# Altium PCB DB31.PcbDoc (part 7 of 8) (continued)
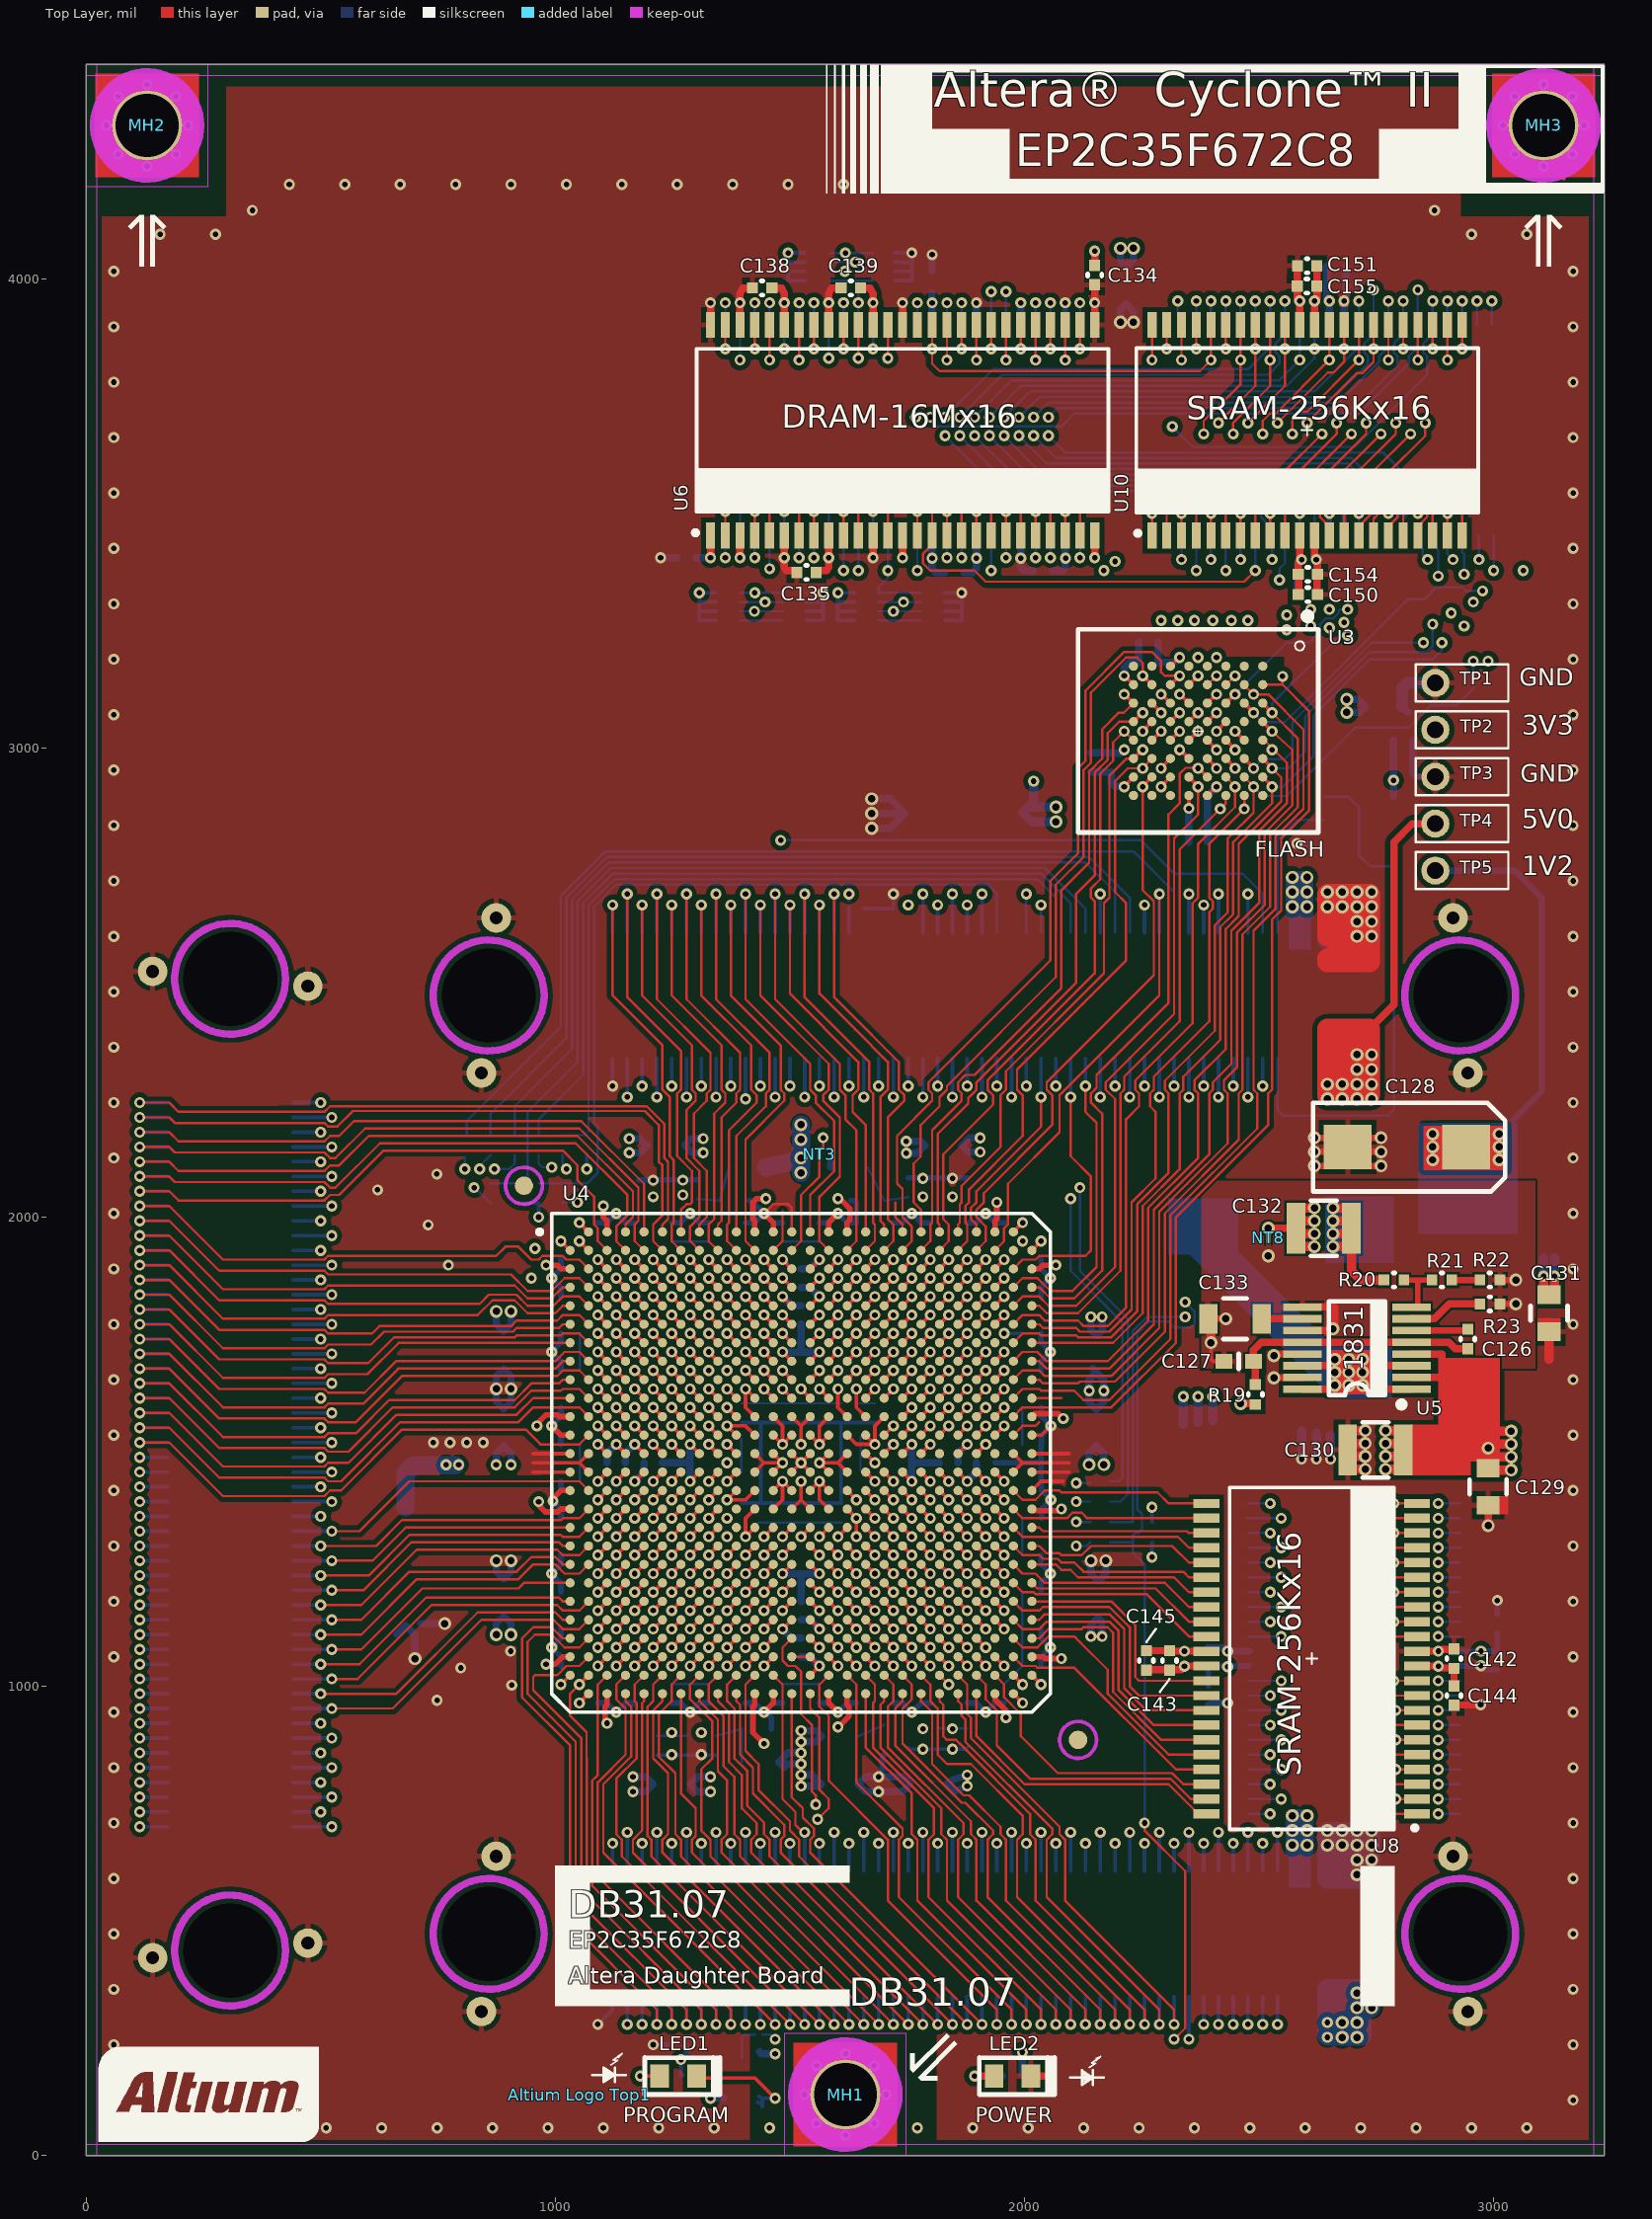
[diagram p0: Top Layer view]
## Nets (pads, with @x,y where several pads share a name; then routed paths per layer and width w, separated by ;. In a path a pad name is that pad's centre, name@x,y a point inside that pad or via, vN(x,y) a via of type N, cw(c..) or ccw(c..) an arc to the next point about the centre after c; other vN are vias at no path point) (continued)
SRAM2_A11: U4.T25 U8.24 | length 429.5
  Top Layer w5: U4.T25@1976.38,1377.95 1996.07,1358.27 2078.74,1358.27 2090.55,1358.27 2102.36,1370.08 2122.05,1370.08 2133.87,1358.26 U8.24@2387.89,1358.26
SRAM2_A12: U4.U26 U8.25 | length 377
  Top Layer w5: U4.U26@2015.75,1338.58 2031.5,1338.58 2039.37,1330.71 2078.74,1330.71 2090.55,1330.71 2346.46,1330.71 2350.4,1326.76 U8.25@2387.89,1326.76
SRAM2_A13: U4.U25 U8.26 | length 429.5
  Top Layer w5: U4.U25@1976.38,1338.58 1996.06,1318.9 2078.74,1318.9 2090.55,1318.9 2326.77,1318.9 2350.4,1295.27 U8.26@2387.89,1295.27
SRAM2_A14: U4.V26 U8.27 | length 403.1
  Top Layer w5: U4.V26@2015.75,1299.21 2031.5,1299.21 2047.24,1283.46 2074.8,1283.46 2078.74,1279.53 2090.55,1279.53 2122.05,1279.53 2141.73,1299.21 2314.96,1299.21 2350.4,1263.77 U8.27@2387.89,1263.77
SRAM2_A15: U4.AE24 U8.42 | length 590.9
  Top Layer w5: U4.AE24@1937.01,1023.62 1956.69,1003.94 1956.69,976.38 1992.13,940.95 1992.13,921.26 1992.13,909.45 1992.13,893.7 2070.87,814.96 2314.96,814.96 2338.59,791.33 U8.42@2387.89,791.33
SRAM2_A16: U4.AE23 U8.43 | length 661.8
  Top Layer w5: U4.AE23@1897.64,1023.62 1917.32,1003.94 1917.32,972.44 1940.94,948.82 1940.94,921.26 1940.94,909.45 1940.94,874.02 2011.81,803.15 2311.02,803.15 2354.34,759.83 U8.43@2387.89,759.83
SRAM2_A17: U4.AF23 U8.44 | length 649.3
  Top Layer w5: U4.AF23@1897.64,984.25 1897.64,921.26 1897.64,909.45 1897.64,893.7 2000,791.34 2307.09,791.34 2370.09,728.34 U8.44@2387.89,728.34
SRAM2_A18: U4.V25 U8.28 | length 439.2
  Top Layer w5: U4.V25@1976.38,1299.21 1996.06,1279.53 2031.5,1279.53 2039.37,1271.65 2070.87,1271.65 2078.74,1263.78 2090.55,1263.78 2106.3,1263.78 2125.98,1244.09 2338.58,1244.09 2350.4,1232.28 U8.28@2387.89,1232.28
SRAM2_D0: U4.AB24 U8.7 | length 1017.6
  Top Layer w5: v1(2767.69,917.32) U8.7@2836.71,917.32
  Top Layer w7.87: U4.AB24@1937.01,1141.73 v1(1956.7,1122.04)
  MidLayer1 w5: v1(1956.7,1122.04) 1980.31,1122.04 1996.06,1137.8 2078.74,1137.8 2094.49,1137.8 2177.17,1137.8 2370.08,944.88 2482.35,944.88 2494.16,956.69 2527.58,956.69 2539.11,968.23 2539.11,968.5 2633.86,968.5 2685.06,917.3 v1@2759.84,917.3
SRAM2_D1: U4.AA23 U8.8 | length 1057.4
  Top Layer w5: v1(2791.34,948.82) U8.8@2836.71,948.81
  Top Layer w7.87: U4.AA23@1897.64,1181.1 v1(1917.33,1161.41)
  MidLayer1 w5: v1(1917.33,1161.41) 1937.01,1141.73 1976.38,1141.73 1992.13,1157.48 2078.74,1157.48 2094.49,1157.48 2177.17,1157.48 2350.39,984.25 2500,984.25 2515.75,1000 2531.5,1000 2547.24,984.25 2649.61,984.25 2685.04,948.83 v1@2787.41,948.83
SRAM2_D2: U4.AA24 U8.9 | length 997.9
  Top Layer w5: v1(2767.69,980.31) U8.9@2836.71,980.31
  Top Layer w7.87: U4.AA24@1937.01,1181.1 v1(1956.7,1161.41)
  MidLayer1 w5: v1(1956.7,1161.41) 1976.38,1161.42 1988.19,1173.23 2078.74,1173.23 2090.55,1173.23 2181.1,1173.23 2334.65,1019.68 2527.56,1019.68 2543.31,1035.43 2629.92,1035.43 2685.04,980.32 ; 2685.04,980.29 v1@2759.84,980.29
SRAM2_D3: U4.Y23 U8.10 | length 1028.8
  Top Layer w5: v1(2787.4,1011.81) U8.10@2836.71,1011.8
  Top Layer w7.87: U4.Y23@1897.64,1220.47 v1(1917.33,1200.78)
  MidLayer1 w5: v1(1917.33,1200.78) 1937.01,1181.1 1976.38,1181.1 1980.32,1185.04 2078.74,1185.04 2090.55,1185.04 2240.16,1185.04 2318.9,1106.3 2456.69,1106.3 2496.06,1066.93 2629.92,1066.93 2685.03,1011.82 v1(2787.4,1011.81)
SRAM2_D4: U4.Y24 U8.13 | length 963.3
  Top Layer w5: v1(2759.84,1106.3) U8.13@2836.71,1106.29
  Top Layer w7.87: U4.Y24@1937.01,1220.47 v1(1956.7,1200.78)
  MidLayer1 w5: v1(1956.7,1200.78) 1980.32,1200.79 1984.25,1196.85 2078.74,1196.85 2090.55,1196.85 2248.03,1196.85 2322.83,1122.05 2484.25,1122.05 2519.68,1086.62 2555.11,1086.62 2574.79,1106.31 v1(2759.84,1106.3)
SRAM2_D5: U4.W23 U8.14 | length 1005.9
  Top Layer w5: v1(2787.4,1137.8) U8.14@2836.71,1137.79
  Top Layer w7.87: U4.W23@1897.64,1259.84 v1(1917.33,1240.16)
  MidLayer1 w5: v1(1917.33,1240.16) 1937.01,1220.47 1984.25,1220.47 1996.06,1208.66 2078.74,1208.66 2090.55,1208.66 2251.97,1208.66 2322.83,1137.8 2496.06,1137.8 2515.75,1118.11 2531.49,1118.11 2551.17,1137.8 ; 2551.17,1137.8 v1(2787.4,1137.8)
SRAM2_D6: U4.W24 U8.15 | length 953.5
  Top Layer w5: v1(2759.84,1169.29) U8.15@2836.71,1169.28
  Top Layer w7.87: U4.W24@1937.01,1259.84 v1(1956.7,1240.16)
  MidLayer1 w5: v1(1956.7,1240.16) 1984.26,1240.16 2003.94,1220.47 2078.74,1220.47 2090.55,1220.47 2259.84,1220.47 2314.95,1165.36 2523.61,1165.36 2539.36,1149.61 2555.11,1149.61 2574.79,1169.3 v1(2759.84,1169.29)
SRAM2_D7: U4.V23 U8.16 | length 996.1
  Top Layer w5: v1(2787.4,1200.79) U8.16@2836.71,1200.78
  Top Layer w7.87: U4.V23@1897.64,1299.21 v1(1917.33,1279.53)
  MidLayer1 w5: v1(1917.33,1279.53) 1937.01,1259.84 2062.99,1259.84 2066.93,1255.91 2078.74,1255.91 2090.55,1255.91 2098.43,1255.91 2122.05,1232.28 2271.65,1232.28 2322.83,1181.1 2531.49,1181.1 ; 2531.49,1181.11 2551.17,1200.8 ; 2551.17,1200.8 v1(2787.4,1200.79)
SRAM2_D8: U4.W26 U8.29 | length 396.6
  Top Layer w5: U4.W26@2015.75,1259.84 2066.93,1259.84 2078.74,1248.03 2090.55,1248.03 2098.43,1248.03 2114.17,1232.28 2318.9,1232.28 2350.4,1200.78 U8.29@2387.89,1200.78
SRAM2_D9: U4.W25 U8.30 | length 449
  Top Layer w5: U4.W25@1976.38,1259.84 1996.06,1240.16 2023.62,1240.16 2043.31,1220.47 2078.74,1220.47 2090.55,1220.47 2299.21,1220.47 2350.4,1169.28 U8.30@2387.89,1169.28
SRAM2_D10: U4.Y26 U8.31 | length 406.4
  Top Layer w5: U4.Y26@2015.75,1220.47 2027.56,1208.66 2078.74,1208.66 2090.55,1208.66 2279.53,1208.66 2350.4,1137.79 U8.31@2387.89,1137.79
SRAM2_D11: U4.Y25 U8.32 | length 458.8
  Top Layer w5: U4.Y25@1976.38,1220.47 1996.06,1200.79 2019.68,1200.79 2023.62,1196.85 2078.74,1196.85 2090.55,1196.85 2259.84,1196.85 2350.4,1106.29 U8.32@2387.89,1106.29
SRAM2_D12: U4.AA26 U8.35 | length 506.8
  Top Layer w5: U4.AA26@2015.75,1181.1 2078.74,1181.1 2090.55,1181.1 2185.04,1181.1 2236.22,1129.92 2236.22,1019.68 2244.1,1011.8 U8.35@2387.89,1011.8
SRAM2_D13: U4.AA25 U8.36 | length 575
  Top Layer w5: U4.AA25@1976.38,1181.1 1996.06,1161.42 2031.5,1161.42 2039.37,1169.29 2078.74,1169.29 2090.55,1169.29 2181.1,1169.29 2224.41,1125.99 2224.41,1000 2244.1,980.31 U8.36@2387.89,980.31
SRAM2_D14: U4.AB26 U8.37 | length 535.6
  Top Layer w5: U4.AB26@2015.75,1141.73 2031.5,1141.73 2043.31,1153.54 2078.74,1153.54 2090.55,1153.54 2181.1,1153.54 2212.6,1122.05 2212.6,996.06 2259.85,948.81 U8.37@2387.89,948.81
SRAM2_D15: U4.AB25 U8.38 | length 591.3
  Top Layer w5: U4.AB25@1976.38,1141.73 1996.06,1122.05 2031.5,1122.05 2047.24,1137.8 2078.74,1137.8 2090.55,1137.8 2181.1,1137.8 2200.79,1118.11 2200.79,992.13 2275.6,917.32 U8.38@2387.89,917.32
SRAM2_NBHE: U4.AC25 U8.40 | length 563.8
  Top Layer w5: U4.AC25@1976.38,1102.36 1996.06,1082.68 2027.56,1082.68 2051.18,1106.3 2078.74,1106.3 2090.55,1106.3 2106.3,1106.3 2118.11,1094.49 2177.17,1035.43 2177.17,984.25 2307.09,854.32 U8.40@2387.89,854.32
SRAM2_NBLE: U4.AC26 U8.39 | length 555.2
  Top Layer w5: U4.AC26@2015.75,1102.36 2031.49,1102.36 2051.18,1122.05 2078.74,1122.05 2090.55,1122.05 2122.05,1122.05 2125.98,1125.98 2177.17,1125.98 2188.98,1114.17 2188.98,988.19 2291.35,885.82 U8.39@2387.89,885.82
SRAM2_NCS: U4.AD24 U8.6 | length 978.9
  Top Layer w5: v1(2791.34,885.83) U8.6@2836.71,885.82
  Top Layer w7.87: U4.AD24@1937.01,1062.99 v1(1956.7,1043.3)
  MidLayer1 w5: v1(1956.7,1043.3) 1984.25,1043.31 1992.12,1035.43 2078.74,1035.43 2090.55,1035.43 2259.84,1035.43 2370.08,925.2 2503.93,925.2 2515.75,937.01 2531.5,937.01 2543.31,925.2 2645.67,925.2 2685.03,885.83 v1@2787.41,885.83
SRAM2_NOE: U4.AD25 U8.41 | length 511
  Top Layer w5: U4.AD25@1976.38,1062.99 1996.06,1043.31 2023.62,1043.31 2027.56,1039.37 2078.74,1039.37 2090.55,1039.37 2106.3,1039.37 2322.84,822.83 U8.41@2387.89,822.83
SRAM2_NWE: U4.V24 U8.17 | length 943.7
  Top Layer w5: v1(2759.84,1232.28) U8.17@2836.71,1232.28
  Top Layer w7.87: U4.V24@1937.01,1299.21 v1(1956.7,1279.53)
  MidLayer1 w5: v1(1956.7,1279.53) 1971.46,1279.53 1979.33,1271.66 2066.93,1271.66 2070.87,1267.72 2078.74,1267.72 2090.55,1267.72 2106.3,1267.72 2129.92,1244.09 2275.59,1244.09 2291.33,1228.35 2523.61,1228.35 2539.36,1212.61 2555.11,1212.61 2574.79,1232.29 v1(2759.84,1232.28)
STATUS_LED: NT2.1 U2.2 | length 74.3
  Bottom Layer w5: U2.2@1397.64,207.68 U2.2@1397.64,220.47 1397.64,251.97 1403.54,257.87 NT2.1@1425.2,257.87
SW0: HDR_B1.42 U4.AA11 | length 951.1
  Top Layer w7.87: v1(1405.51,1161.41) U4.AA11@1425.2,1181.1
  MidLayer2 w5: v1(1405.51,1161.41) 1385.83,1141.73 1385.83,921.26 1385.83,909.45 1385.83,744.09 1413.39,716.54 1456.69,673.23 1456.69,649.61 1472.44,633.86 1720.47,633.86 v2(1751.97,665.35)
  Bottom Layer w7.87: HDR_B1.42@1751.97,606.3 v2(1751.97,665.35)
SW1: HDR_B1.44 U4.AB10 | length 1041.9
  Top Layer w7.87: v1(1366.14,1122.04) U4.AB10@1385.83,1141.73
  MidLayer2 w5: v1(1366.14,1122.04) 1346.46,1102.36 1346.46,964.56 1350.39,960.63 1350.39,921.26 1350.39,909.45 1350.39,716.54 1444.88,622.05 1744.09,622.05 1783.46,661.42 v2(1783.46,688.98)
  Bottom Layer w7.87: HDR_B1.44@1783.47,606.3 v2(1783.46,688.98)
SW2: HDR_B1.46 U4.Y10 | length 1552.4
  Top Layer w7.87: v1(1366.14,1200.78) U4.Y10@1385.83,1220.47
  MidLayer2 w5: v1(1366.14,1200.78) 1346.46,1181.1 1318.9,1181.1 1307.09,1169.29 1307.09,964.57 1338.58,933.07 1338.58,921.26 1338.58,909.45 1338.58,850.39 1311.02,822.83 1311.02,692.91 1393.7,610.24 1759.84,610.24 v2(1814.96,665.35)
  MidLayer3 w5: 1334.64,921.26 1334.64,1007.87 1307.09,1035.43 1307.09,1169.29 1318.9,1181.1 1346.46,1181.1 v1(1366.14,1200.78)
  Bottom Layer w7.87: HDR_B1.46@1814.96,606.3 v2(1814.96,665.35)
SW3: HDR_B1.48 U4.AB8 | length 1235.1
  Top Layer w7.87: v1(1287.4,1122.04) U4.AB8@1307.09,1141.73
  MidLayer2 w5: v1(1287.4,1122.04) 1267.72,1102.36 1267.72,921.26 1267.72,909.45 1267.72,716.54 1259.84,708.66 1259.84,681.1 1342.52,598.43 1779.53,598.43 1846.46,665.35 v2(1846.46,688.98)
  Bottom Layer w7.87: HDR_B1.48@1846.46,606.3 v2(1846.46,688.98)
SW4: HDR_B1.50 U4.AA7 | length 1341.3
  Top Layer w7.87: v1(1248.03,1161.41) U4.AA7@1267.72,1181.1
  MidLayer2 w5: v1(1248.03,1161.41) 1228.35,1141.73 1228.35,921.26 1228.35,909.45 1228.35,881.89 1196.85,850.39 1196.85,681.1 1291.34,586.61 1799.21,586.61 v2(1877.95,665.35)
  Bottom Layer w7.87: HDR_B1.50@1877.96,606.3 v2(1877.95,665.35)
TCK: R7.2 U4.M6 | length 921.8
  Top Layer w7.87: v1(1208.66,1555.12) U4.M6@1228.35,1535.43
  MidLayer4 w5: v1(838.58,2102.36) 856.75,2084.19 856.75,1983.59 884.44,1955.9 973.23,1955.9 1031.5,1897.64 1031.5,1610.24 1070.87,1570.87 1070.87,1547.24 1082.68,1535.43 1188.98,1535.43 v1(1208.66,1555.12)
  Bottom Layer w5: v1(838.58,2102.36) 838.58,2108.74 R7.2@862.2,2132.36
TDI: R10.2 U4.M8 | length 1107.3
  Top Layer w7.87: v1(1287.4,1555.12) U4.M8@1307.09,1535.43
  MidLayer4 w5: v1(807.09,2102.36) 830.71,2125.98 905.51,2125.98 952.76,2078.74 1059.06,2078.74 1082.68,2055.12 1082.68,1929.13 1066.93,1913.39 1066.93,1669.29 1082.68,1653.54 1295.28,1653.54 1307.09,1641.73 1307.09,1574.8 v1(1287.4,1555.12)
  Bottom Layer w5: v1(807.09,2102.36) R10.2@807.09,2128.42
TDO: R9.2 U4.M7 | length 717.9
  Top Layer w7.87: v1(1248.03,1555.12) U4.M7@1267.72,1535.43
  MidLayer4 w5: v1(1047.24,2031.5) 1031.5,2015.75 1031.5,1929.13 1043.31,1917.32 1043.31,1614.17 1082.68,1574.8 1228.35,1574.8 v1(1248.03,1555.12)
  Bottom Layer w5: R9.2@1015.75,2030 1017.25,2031.5 v1(1047.24,2031.5)
TMS: R6.2 U4.L8 | length 981.7
  Top Layer w7.87: v1(1287.4,1594.49) U4.L8@1307.09,1574.8
  MidLayer4 w5: v1(870.08,2102.36) 905.51,2066.93 1047.24,2066.93 1070.87,2043.31 1070.87,1933.07 1055.12,1917.32 1055.12,1637.79 1078.74,1614.17 1267.72,1614.17 v1(1287.4,1594.49)
  Bottom Layer w5: v1(870.08,2102.36) 901.57,2102.36 913.38,2114.17 R6.2@913.38,2132.36
TOFF: R23.1 U5.7 | length 159.5
  Top Layer w15.75: U5.7@2824.58,1783.25 2824.8,1783.46 2874.02,1783.46 2905.51,1814.96 R23.1@2970.94,1814.96
VCCA_PLL1: C108.1 C109.1 C110.1 C111.1 L1.2 U4.AA8 | length 494.9
  Top Layer w7.87: v1(1287.4,1161.41) U4.AA8@1307.09,1181.1
  MidLayer3 w5: v1(1248.03,901.57) 1267.72,921.26 1267.72,1141.73 v1(1287.4,1161.41)
  Bottom Layer w5: C110.1@1216.53,894.68 1248.03,894.68 C109.1@1279.52,894.68 ; C108.1@1342.52,894.68 C111.1@1397.63,909.45 L1.2@1397.63,838.58
  other v1: 1311.02,901.57
VCCA_PLL2: C112.1 C113.1 C114.1 C115.1 L2.2 U4.G19 | length 158.7
  Top Layer w7.87: U4.G19@1740.16,1732.28 v1(1759.84,1751.97)
  Bottom Layer w5: L2.2@1665.35,2106.29 C115.1@1700.78,2035.43 C112.1@1751.97,2042.32
  other v1: 1783.46,2043.31 1846.46,2043.31
VCCA_PLL3: C116.1 C117.1 C118.1 C119.1 L3.2 U4.G8 | length 148.7
  Top Layer w7.87: v1(1287.4,1751.97) U4.G8@1307.09,1732.28
  Bottom Layer w5: C116.1@1303.15,2038.38 C119.1@1350.39,2035.43 L3.2@1370.08,2106.29
  other v1: 1208.66,2043.31 1271.65,2047.24
VCCA_PLL4: C120.1 C121.1 C122.1 C123.1 L4.2 U4.AA19 | length 150.8
  Top Layer w7.87: U4.AA19@1740.16,1181.1 v1(1759.84,1161.41)
  Bottom Layer w5: L4.2@1645.67,893.7 C123.1@1700.78,917.32 ; C121.1@1814.96,910.43 1846.46,910.43 C122.1@1877.95,910.43
  other v1: 1783.46,909.45 1846.46,909.45
VFILT: C126.1 C127.1 R19.2 U5.5 U5.12 | length 544.3
  Top Layer w15.75: R19.2@2492.12,1643.23 2492.12,1688.98 C127.1@2488.18,1692.91 2488.19,1716.54 2504.9,1733.25 U5.12@2592.58,1733.25 ; U5.12@2592.58,1733.25 U5.5@2824.58,1733.25 2904.53,1733.27 2918.31,1719.48 C126.1@2944.88,1719.48
pads on no net: HDR_B1.93 HDR_B1.95 HDR_B1.MH5 HDR_B1.MH6 HDR_L1.MH5 HDR_L1.MH6 HDR_T1.95 HDR_T1.MH5 HDR_T1.MH6 MH1.MOUNT MH2.MOUNT MH3.MOUNT U1.5 U2.1 U3.A1 U3.A8 U3.B1 U3.B4 U3.C1 U3.D1 U3.E1 U3.F8 U3.G1 U3.G8 U3.H1 U3.H8 U4.A19 U4.AA3 U4.AA4 U4.AB3 U4.AB4 U4.AC3 U4.AC24 U4.AD3 U4.AE13 U4.B2 U4.B12 U4.B14 U4.B25 U4.C8 U4.C19 U4.C21 U4.D3 U4.D12 U4.D18 U4.E5 U4.F4 U4.F6 U4.F24 U4.FID1 U4.G23 U4.G24 U4.H10 U4.H15 U4.H16 U4.J7 U4.J9 U4.J10 U4.K16 U4.K17 U4.K18 U4.K19 U4.K26 U4.L24 U4.M22 U4.M25 U4.N18 U4.N20 U4.N21 U4.N24 U4.T7 U4.T10 U4.U7 U4.U10 U4.V3 U4.W4 U4.Y2 U4.Y3 U4.Y4 U4.Y22 U6.40 U7.40
copper on no net: | length 7320.2
  Top Layer w5: 1464.57,1929.13 1484.25,1948.82 1484.25,2011.81 ; 1724.41,2031.5 1724.41,2000 1740.16,1984.25 1740.16,1968.51 ; 1976.38,1535.43 1996.06,1555.12 2023.62,1555.12 2031.5,1562.99 ; 2015.75,1614.17 2078.74,1614.17
  Top Layer w7.87: v1(1051.18,1948.82) 1070.87,1929.13 ; v1(1090.55,1043.3) 1110.24,1062.99 ; v1(1090.55,1082.67) 1110.24,1102.36 ; v1(1090.55,1122.04) 1110.24,1141.73 ; v1(1090.55,1161.41) 1110.24,1181.1 ; v1(1090.55,1200.78) 1110.24,1220.47 ; v1(1090.55,1279.53) 1110.24,1299.21 ; v1(1090.55,1870.08) 1110.24,1850.39 ; v1(1129.92,1122.04) 1149.61,1141.73 ; v1(1129.92,1161.41) 1149.61,1181.1 ; v1(1129.92,1200.78) 1149.61,1220.47 ; v1(1129.92,1240.16) 1149.61,1259.84 ; v1(1129.92,1791.34) 1149.61,1771.65 ; v1(1169.29,1830.71) 1188.98,1811.02 ; v1(1208.66,1791.34) 1228.35,1771.65 ; v1(1248.03,1318.9) 1267.72,1338.58 ; v1(1248.03,1358.27) 1267.72,1377.95 ; v1(1248.03,1673.23) 1267.72,1653.54 ; v1(1287.4,1909.45) 1307.09,1889.76 ; v1(1444.88,1870.08) 1464.57,1850.39 ; 1582.68,1692.91 v1(1602.36,1712.6) ; 1622.05,1692.91 v1(1641.73,1712.6) ; 1661.42,1614.17 v1(1681.1,1633.86) ; 1700.79,1496.06 v1(1720.47,1515.75) ; 1700.79,1614.17 v1(1720.47,1633.86) ; 1700.79,1850.39 v1(1720.47,1870.08) ; 1740.16,1614.17 v1(1759.84,1633.86) ; 1740.16,1889.76 v1(1759.84,1909.45) ; 1779.53,1496.06 v1(1799.22,1515.75) ; 1818.9,1889.76 v1(1838.58,1909.45) ; 1858.27,1220.47 v1(1877.95,1200.78) ; 1858.27,1535.43 v1(1877.96,1555.12) ; 1937.01,1574.8 v1(1956.7,1594.49) ; 1937.01,1771.65 v1(1956.7,1791.34) ; 3149.61,4212.6 3149.61,4330.71
  MidLayer1 w5: 967.34,1175.04 1064.8,1175.04 1070.87,1181.1 1110.24,1181.1 v1(1129.92,1200.78) ; 967.75,1185.04 1051.18,1185.04 1066.93,1200.78 v1(1090.55,1200.78) ; 968.5,1023.62 1039.37,1023.62 1059.05,1043.3 v1(1090.55,1043.3) ; 968.5,1106.3 1070.87,1106.3 1074.8,1102.36 1110.24,1102.36 v1(1129.92,1122.04) ; 968.51,1122.04 v1(1090.55,1122.04) ; 968.5,1137.79 1066.93,1137.79 1070.87,1141.73 1110.24,1141.73 v1(1129.92,1161.41) ; 968.5,1153.54 1063,1153.54 1070.87,1161.41 v1(1090.55,1161.41) ; 968.5,1200.79 1043.31,1200.79 1062.99,1220.47 1110.24,1220.47 v1(1129.92,1240.16) ; 968.51,1279.53 v1(1090.55,1279.53) ; 1003.94,1062.99 1035.43,1062.99 1055.12,1082.67 v1(1090.55,1082.67) ; 1267.72,2015.75 1267.72,1956.69 1287.4,1937.01 v1(1287.4,1909.45) ; v1(1444.88,1870.08) 1464.57,1889.77 1464.57,1921.26 1476.38,1933.07 1476.38,2031.5 ; v1(1720.47,1870.08) 1740.16,1889.76 1740.16,1944.88 1728.35,1956.69 1728.35,2031.5 ; 1740.16,2031.5 1740.16,1968.5 1759.84,1948.82 v1(1759.84,1909.45) ; 1830.71,2031.5 1830.71,1937.01 1838.58,1929.13 v1(1838.58,1909.45) ; v1(1877.96,1555.12) 1897.64,1574.8 1992.13,1574.8 2031.5,1614.17 2078.74,1614.17 ; v1(1917.32,1751.97) 1937.01,1771.65 1976.38,1771.65 1992.13,1787.4 2078.74,1787.4 ; v1(1956.7,1594.49) 1984.25,1594.49 2015.75,1625.98 2078.74,1625.98 ; v1(1956.7,1791.34) 1976.38,1791.34 1984.25,1799.21 2078.74,1799.21
  MidLayer2 w5: v1(1090.55,1870.08) 1109.95,1889.48 1109.95,1920.15 ; v1(1799.22,1515.75) 1830.71,1484.25 2078.74,1484.25 ; v1(1877.95,1200.78) 1897.64,1181.1 2078.74,1181.1
  MidLayer3 w5: 1078.94,1811.02 1149.61,1811.02 v1(1169.29,1830.71) ; 1079.68,1850.39 1181.1,1850.39 1188.98,1842.52 1188.98,1811.02 v1(1208.66,1791.34)
  MidLayer4 w5: 968.51,1456.69 1338.58,1456.69 1346.46,1448.82 1346.46,1377.95 ; 1346.46,1377.95 v1(1366.14,1358.27) ; v1(1602.36,1712.6) 1582.68,1732.28 1582.68,1921.26 1653.54,1992.13 1653.54,2031.5 ; v1(1641.73,1712.6) 1622.05,1732.28 1622.05,1925.2 1669.29,1972.44 1669.29,2031.5 ; v1(1720.47,1515.75) 1740.16,1535.43 1976.38,1535.43 2035.43,1594.49 2078.74,1594.49 ; v1(1720.47,1633.86) 1720.47,1602.36 1748.03,1574.8 1972.44,1574.8 2011.81,1614.17 2078.74,1614.17 ; v1(1759.84,1633.86) 1779.53,1614.17 1964.32,1614.17 2011.56,1661.42 2078.74,1661.42
  other v1: 1618.11,43.31 1456.69,59.06 1771.65,59.06 1556.86,68.68 1679.36,68.68 1531.5,129.92 1704.72,129.92 1556.86,191.17 1679.36,191.17 1618.11,216.54 1366.14,1673.23 1366.14,1712.6 129.92,4240.16 3106.3,4240.16 68.68,4265.53 191.17,4265.53 3045.05,4265.53 3167.54,4265.53 43.31,4326.77 216.54,4326.77 3019.68,4326.77 3192.91,4326.77 68.68,4388.02 191.17,4388.02 3045.05,4388.02 3167.54,4388.02 129.92,4413.39 3106.3,4413.39

## Polygon pours and split planes (outlines as drawn)
GND on Top Layer "GROUND-TOP-LAYER" (solid, remove dead copper, pour order 40): 19.68,4132.62 298.72,4132.62 298.72,4409.45 2929.63,4409.45 2929.63,4132.62 3208.66,4132.62 3208.66,19.68 1813.48,19.68 1813.48,296.52 1414.86,296.52 1414.86,19.68 19.68,19.68
AGND on Top Layer "AGND-TOP" (solid, remove dead copper, pour order 38): 2377.61,2077.57 2377.61,1677.17 3088.3,1677.17 3088.3,2077.57
1V2 on MidLayer1 "1V2-connect-to-L1-C17" (solid, remove dead copper, pour order 36): 1893.7,1417.32 3133.86,1417.32 3133.86,2208.66 2375.98,2208.66 2375.98,1694.29 1893.7,1694.29
GND on MidLayer1 "GROUND-MID1-LAYER" (solid, remove dead copper, pour order 41): 19.68,4132.62 298.72,4132.62 298.72,4409.45 2929.63,4409.45 2929.63,4132.62 3208.66,4132.62 3208.66,19.68 1813.48,19.68 1813.48,296.52 1414.86,296.52 1414.86,19.68 19.68,19.68
1V2 on MidLayer1 "FPGAPWR-ML1-1V2" (solid, pour order 35): 1471.71,1858.42 1471.71,2031.95 1574.38,2031.95 1574.38,1854.79 1810.6,1854.79 1901.15,1764.24 1901.15,1524.08 2078.32,1524.08 2078.32,1425.65 1901.15,1425.65 1901.15,1189.43 1810.6,1098.88 1574.38,1098.88 1574.38,921.72 1472.02,921.72 1472.02,1098.88 1235.8,1098.88 1145.25,1189.43 1145.25,1425.65 968.08,1425.65 968.08,1528.01 1145.25,1528.01 1145.25,1772.11 1227.92,1854.79
no net on MidLayer2 "VCCX" (solid, remove dead copper, pour order 37): 2409.45,2322.83 3051.18,2322.83 3051.18,137.8 2409.45,137.8
GND on MidLayer2 "GROUND-MID2-LAYER" (solid, remove dead copper, pour order 42): 19.68,4132.62 298.72,4132.62 298.72,4409.45 2929.63,4409.45 2929.63,4132.62 3208.66,4132.62 3208.66,19.68 1813.48,19.68 1813.48,296.52 1414.86,296.52 1414.86,19.68 19.68,19.68
GND on MidLayer3 "GROUND-MID3-LAYER" (solid, remove dead copper, pour order 43): 19.68,4132.62 298.72,4132.62 298.72,4409.45 2929.63,4409.45 2929.63,4132.62 3208.66,4132.62 3208.66,19.68 1813.48,19.68 1813.48,296.52 1414.86,296.52 1414.86,19.68 19.68,19.68
VCCA_PLL3 on MidLayer3 "VCCA_PLL3_MID3" (solid, remove dead copper, pour order 33): 1303.15,1736.22 1185.04,1736.22 1185.04,2055.12 1303.15,2055.12
VCCA_PLL1 on MidLayer3 "VCCA_PLL1_MID3" (solid, remove dead copper, pour order 31): 1235,1181.1 1326.77,1181.1 1326.77,881.89 1224.41,881.89 1224.41,1181.1
GND on MidLayer4 "GROUND-MID4-LAYER" (solid, remove dead copper, pour order 44): 19.68,4132.62 298.72,4132.62 298.72,4409.45 2929.63,4409.45 2929.63,4132.62 3208.66,4132.62 3208.66,19.68 1813.48,19.68 1813.48,296.52 1414.86,296.52 1414.86,19.68 19.68,19.68
VCCA_PLL2 on MidLayer4 "VCCA_PLL2_MID4" (solid, remove dead copper, pour order 32): 1744.09,1736.22 1862.2,1736.22 1862.2,2062.99 1744.09,2062.99
VCCA_PLL4 on MidLayer4 "VCCA_PLL4_MID4" (solid, remove dead copper, pour order 34): 1748.03,1181.1 1862.2,1181.1 1862.2,893.7 1751.49,893.7 1749.72,895.66 1748.03,897.53
GND on Bottom Layer "GROUND-BOTTOM-LAYER" (solid, remove dead copper, pour order 39): 19.68,4132.62 298.72,4132.62 298.72,4409.45 2929.63,4409.45 2929.63,4132.62 3208.66,4132.62 3208.66,19.68 1813.48,19.68 1813.48,296.52 1414.86,296.52 1414.86,19.68 19.68,19.68
3V3 on Bottom Layer "FPGAPWR-BL-3V3" (solid, pour order 26): 1083.33,1956.69 1979.86,1956.69 2003.88,1932.68 2003.88,1020.08 1979.86,996.06 1067.32,996.06 1043.31,1020.08 1043.31,1932.68 1067.32,1956.69
VCCA_PLL3 on Bottom Layer "VCCA_PLL3_BL" (solid, remove dead copper, pour order 29): 1389.76,2145.67 1334.65,2145.67 1334.65,2062.99 1157.48,2062.99 1157.48,2019.68 1381.89,2019.68 1381.89,2055.12 1389.76,2055.12
VCCA_PLL4 on Bottom Layer "VCCA_PLL4_BL" (solid, remove dead copper, pour order 30): 1901.57,932.68 1901.57,885.04 1666.7,885.04 1666.7,850.39 1618.11,850.39 1618.11,937.01 1901.57,937.01
VCCA_PLL1 on Bottom Layer "VCCA_PLL1_BL" (solid, remove dead copper, pour order 27): 1429.13,803.15 1429.13,933.07 1192.91,933.07 1192.91,881.89 1366.14,881.89 1366.14,803.15
1V2 on Bottom Layer "FPGAPWR-BL-1V2" (solid, pour order 25): 1224.41,1736.22 1224.41,1177.16 1818.9,1177.16 1818.9,1736.22
GND on Bottom Layer "FPGAPWR-BL-GND" (solid, pour order 24): 1417.32,1574.8 1623.11,1574.8 1623.11,1376.89 1417.32,1376.89
VCCA_PLL2 on Bottom Layer "VCCA_PLL2_BL" (solid, remove dead copper, pour order 28): 1657.48,2145.67 1714.47,2145.67 1714.47,2065.58 1897.64,2065.58 1897.64,2023.62 1665.62,2023.62 1665.62,2057.95 1657.48,2057.95
1V2 on Bottom Layer "1V2-BL" (solid, remove dead copper, pour order 23): 1433.07,2240.16 1433.07,2059.06 1602.36,2059.06 1602.36,2149.61 2559.06,2149.61 2559.06,2066.93 3070.87,2066.93 3070.87,2240.16
GND on GND-Layer5 (split plane): 3216.12,4436.6 3216.12,20.1 20.1,20.1 20.1,4436.6 1523.62,4436.6
5V0 on VCC (split plane): 3216.12,4436.6 3216.12,20.1 2633.94,20.1 2633.94,352.19 2794.42,512.67 2796,514.72 2796.99,517.12 2797.33,519.68 2797.33,633.68 2842.69,679.05 2952.76,679.05 2955.33,679.39 2957.72,680.38 2959.78,681.96 3062.14,784.32 3063.03,785.48 3063.72,786.37 3064.01,787.08 3064.71,788.77 3065.05,791.34 3065.05,1244.09 3065.05,1287.4 3065.05,1389.76 3064.71,1392.33 3063.72,1394.73 3062.82,1395.89 3062.14,1396.78 3016.9,1442.02 3014.85,1443.6 3012.45,1444.59 3009.88,1444.93 2744.93,1444.93 2744.93,1587.6 2744.59,1590.17 2743.6,1592.56 2742.02,1594.62 2723.32,1613.32 2721.26,1614.9 2718.87,1615.89 2716.3,1616.23 2614.17,1616.23 2611.6,1615.89 2609.21,1614.9 2607.15,1613.32 2578.57,1584.73 2456.87,1584.73 2446.94,1594.66 2446.94,2011.64 2631.04,2195.74 2632.61,2197.79 2633.6,2200.19 2633.94,2202.76 2633.94,2379.75 2634.03,2379.84 2791.16,2379.84 2910.3,2260.7 2911.2,2260.01 2912.36,2259.12 2914.75,2258.13 2917.32,2257.79 3068.72,2257.79 3071.29,2258.13 3073.68,2259.12 3075.74,2260.7 3123.02,2307.98 3124.6,2310.04 3125.59,2312.43 3125.93,2315 3125.93,3975 3125.59,3977.57 3124.6,3979.96 3123.7,3981.13 3123.02,3982.02 3053.02,4052.02 3050.96,4053.6 3048.57,4054.59 3046,4054.93 2732.11,4054.93 2721.69,4065.35 2721.69,4436.6
3V3 on VCC (split plane): 1523.62,4436.6 2701.84,4436.6 2701.84,4061.24 2702.17,4058.67 2703.17,4056.27 2704.74,4054.22 2720.98,4037.98 2721.87,4037.3 2723.04,4036.4 2725.43,4035.41 2728,4035.07 3041.89,4035.07 3106.07,3970.89 3106.07,2319.11 3064.6,2277.64 2921.43,2277.64 2802.3,2396.78 2800.24,2398.36 2797.84,2399.35 2795.28,2399.69 2629.92,2399.69 2627.35,2399.35 2624.96,2398.36 2622.9,2396.78 2617,2390.88 2615.42,2388.82 2614.43,2386.43 2614.09,2383.86 2614.09,2206.87 2429.99,2022.77 2428.41,2020.71 2427.42,2018.32 2427.08,2015.75 2427.08,1590.55 2427.42,1587.98 2428.41,1585.59 2429.99,1583.53 2445.74,1567.78 2447.79,1566.21 2450.19,1565.21 2452.76,1564.88 2582.68,1564.88 2585.25,1565.21 2587.64,1566.21 2589.7,1567.78 2618.29,1596.37 2712.19,1596.37 2725.07,1583.49 2725.07,1440 2725.41,1437.43 2726.4,1435.04 2727.98,1432.98 2732.98,1427.98 2735.04,1426.4 2737.43,1425.41 2740,1425.07 3005.77,1425.07 3045.19,1385.65 3045.19,1287.4 3045.19,1244.09 3045.19,795.45 2948.64,698.9 2838.58,698.9 2836.01,698.57 2833.62,697.57 2831.56,696 2780.38,644.82 2778.8,642.76 2777.81,640.36 2777.47,637.8 2777.47,523.8 2617,363.32 2615.42,361.26 2614.43,358.87 2614.09,356.3 2614.09,20.1 20.1,20.1 20.1,4436.6 1523.62,4436.6

## Keep-outs
Bottom Layer:
  rectangle: 2643.7,3334.65 2840.55,3417.32
Keep-Out Layer:
  circle w15.75: c2928.82,472.44 r118.11
  circle w15.75: c857.95,472.44 r118.11
  circle w15.75: c306.77,437.01 r118.11
  circle w15.75: c306.77,2507.87 r118.11
  circle w15.75: c857.95,2472.44 r118.11
  circle w15.75: c2928.82,2472.44 r118.11
  region: 3236.22,4456.69 3212.6,4456.69 3212.6,0 3236.22,0
  rectangle: 0,0 23.62,4456.69
  rectangle: 0,0 3236.22,23.62
  region: 0,4456.69 0,4433.07 3236.22,4433.07 3236.22,4456.69
Mechanical 4:
  rectangle: 236.22,4358.27 925.2,4456.69

## Other copper
Top Layer:
  rectangle net GND: 3011.8,1366.15 3031.49,1405.52
  rectangle net 5V0: 2824.06,1449.65 2951.2,1558.01
  rectangle net 5V0: 2881.48,1479.25 3013.03,1700.34
  rectangle net 1V2: 2850.39,2100 3027.56,2195
  rectangle net GND: 2645.67,2551.18 2740.16,2692.91
  rectangle net 5V0: 2645.67,2251.97 2740.16,2393.7
  region net LX: 2768.7,1716.54 2645.67,1716.54 2645.67,1622.32 2768.7,1622.32
  rectangle net GND: 3093.5,1773.6 3142.6,1785.4
  pour cut-out: 995.43,2007.56 2055.43,2007.56 2055.43,947.56 995.43,947.56
  pour cut-out: 2554.02,3195 2554.02,2865 2194.02,2865 2194.02,3195
Bottom Layer:
  rectangle net 1V2: 2641.13,1901.74 2787.4,2043.82
  region net LX: 2455.79,1920.32 2455.79,2040.32 2305.79,2040.32 2305.79,1920.32
  rectangle net GND: 2645.67,598.43 2740.16,696.85
  rectangle net 5V0: 2645.67,251.97 2740.16,346.46
  rectangle net GND: 2645.67,2598.43 2740.16,2696.85
  rectangle net 3V3: 2562.99,570.86 2610.24,704.72
  rectangle net 3V3: 2562.99,2570.86 2610.24,2704.72
  rectangle net 5V0: 2645.67,2248.03 2740.16,2346.46
  rectangle net 5V0: 2629.92,2248.03 2740.16,2346.46
  rectangle net 1V2: 2838.58,1964.57 3051.18,2200.79
  rectangle net LX: 2649.61,1614.17 2783.46,1724.41
GND-Layer5 (plane layer: these items are gaps in the copper):
  text "GND" at 1645.67,437.01 h60
VCC (plane layer: these items are gaps in the copper):
  lines w19.68: 2624.02,0 2624.02,356.3 2787.4,519.68 2787.4,637.8 2838.58,688.98 2952.76,688.98 3055.12,791.34 3055.12,1244.09 3055.12,1287.4 3055.12,1389.76 3009.88,1435 2740,1435 2735,1440 2735,1587.6 2716.3,1606.3 2614.17,1606.3 2582.68,1574.8 2452.76,1574.8 2437.01,1590.55 2437.01,2015.75 2624.02,2202.76 2624.02,2383.86 2629.92,2389.76 2795.28,2389.76 2917.32,2267.72 3068.72,2267.72 3116,2315 3116,3975 3046,4045 2728,4045 2711.76,4061.24 2711.76,4456.69
  text "5V0" at 2791.34,1826.77 h60
  text "3V3" at 1657.48,437.01 h60